# Altium PCB FMC_SDR.PcbDoc (part 3 of 4) (continued)
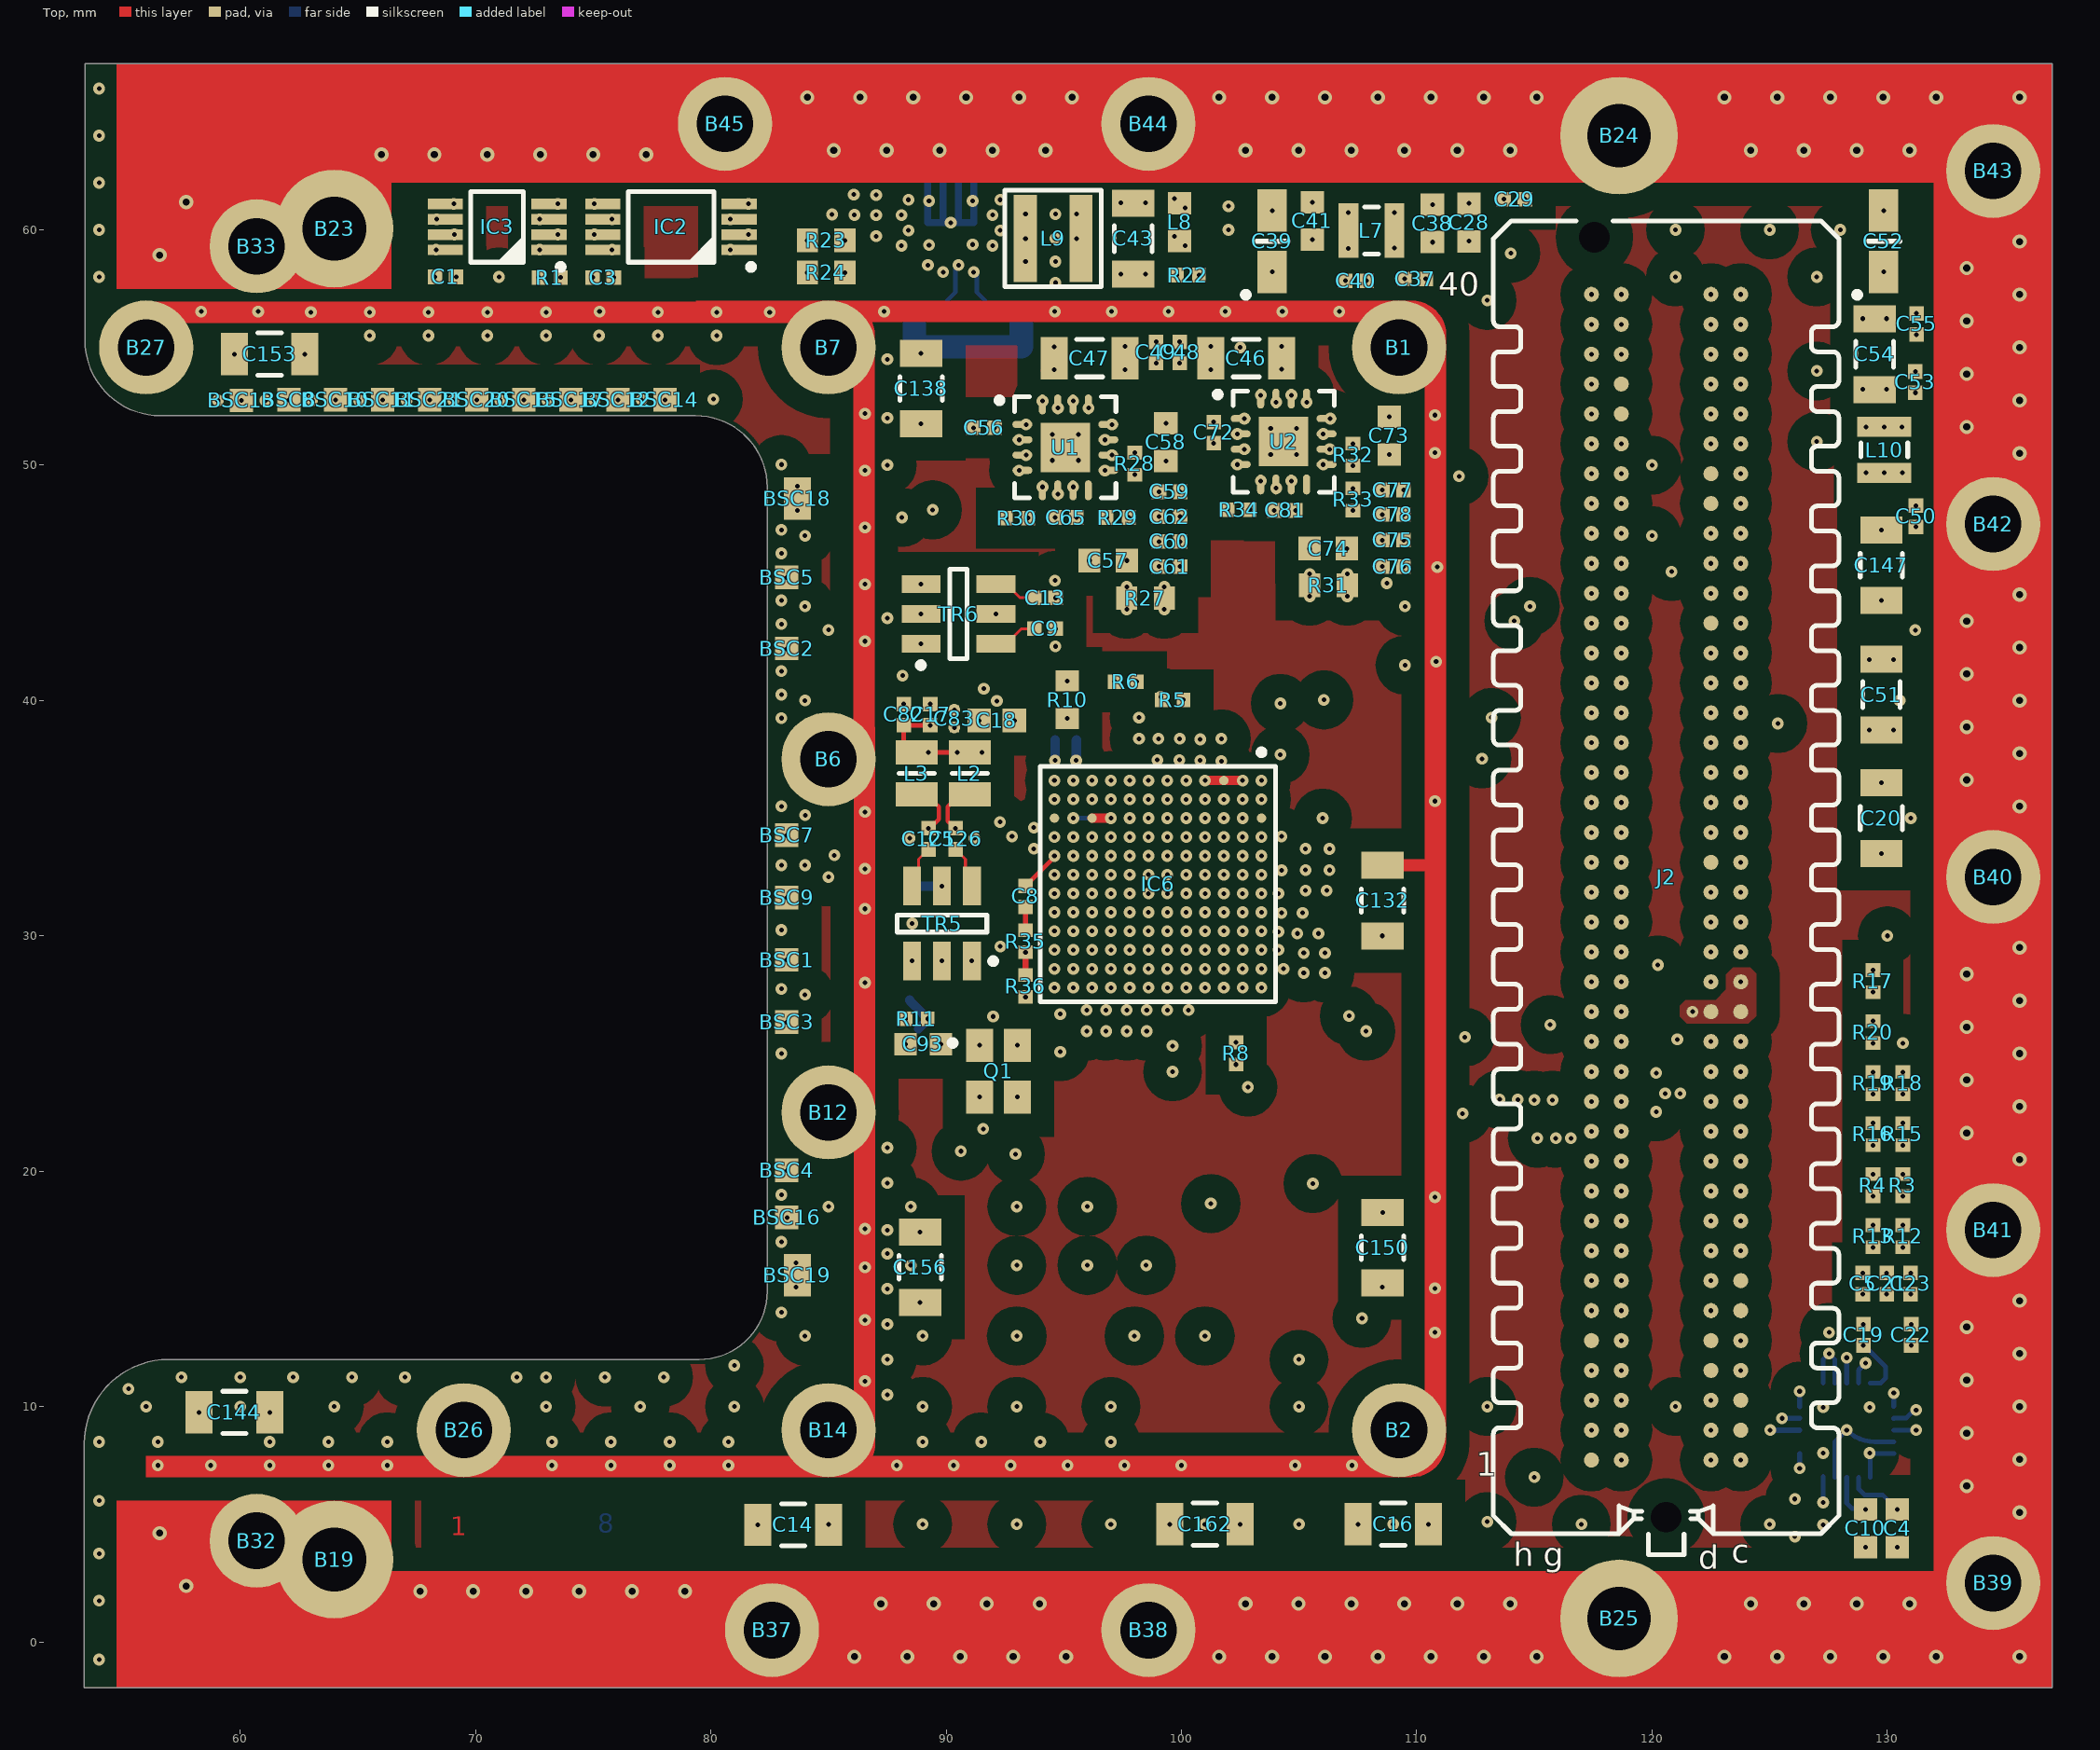
[diagram p0: Top view]
## Nets (pads, with @x,y where several pads share a name; then routed paths per layer and width w, separated by ;. In a path a pad name is that pad's centre, name@x,y a point inside that pad or via, vN(x,y) a via of type N, cw(c..) or ccw(c..) an arc to the next point about the centre after c; other vN are vias at no path point) (continued)
  other v2: 94.85,25.075 95.975,25.95 96.8,25.95 97.675,25.95 98.525,25.95 100.3,26.85 95.403,27.8 96.203,27.8 98.603,27.8 101.003,27.8 101.803,27.8 102.603,27.8 106.1,28.425 95.403,28.6 99.403,28.6 101.803,28.6 106.1,29.275 95.403,29.4 97.803,29.4 101.803,29.4 104.125,29.4 105.825,30.1 104.125,30.175 95.403,30.2 99.403,30.2 101.803,30.2 105.15,30.975 95.403,31 101.803,31 95.403,31.8 97.803,31.8 99.403,31.8 101.803,31.8 104.125,31.8 106.175,31.925 94.603,32.6 97.803,32.6 103.403,32.6 103.403,33.4 105.275,33.7 106.291,33.693 94.603,34.2 101.803,34.2 103.403,34.2 93.725,34.603 97.803,35 99.403,35 95.403,35.8 96.2,35.8 97.003,35.8 97.803,35.8 101.803,35.8 102.603,35.8 103.403,35.8 95.403,36.6 96.203,36.6 99.403,36.6 100.203,36.6 103.403,36.6 100.8,38.35 99.025,38.375 98.2,39.275
  other v3: 118.695,7.726 123.775,7.726 117.425,8.996 122.505,8.996 117.425,10.266 122.505,10.266 118.695,11.536 123.775,11.536 118.695,12.806 123.775,12.806 117.425,14.076 122.505,14.076 122.505,15.346 118.695,16.616 117.425,17.886 123.775,17.886 122.505,19.156 118.695,20.426 117.425,21.696 123.775,21.696 122.505,22.966 123.775,22.966 118.695,24.236 117.425,25.506 118.695,28.046 123.775,28.046 117.425,29.316 122.505,30.586 118.695,31.856 123.775,31.856 117.425,33.126 123.775,33.126 85.25,33.425 122.505,34.396 84.013,35.123 118.695,35.666 117.425,36.936 123.775,36.936 122.505,38.206 123.775,38.206 118.695,39.476 117.425,40.746 122.505,42.016 123.775,42.016 118.695,43.286 123.775,43.286 117.425,44.556 118.695,47.096 123.775,47.096 117.425,48.366 123.775,48.366 94.518,50.204 95.618,50.204 103.793,50.453 104.893,50.453 118.695,50.906 94.518,51.304 95.618,51.304 103.793,51.553 104.893,51.553 117.425,52.176 123.775,52.176 122.505,53.446 118.695,54.716 123.775,54.716 117.425,55.986 122.505,55.986 118.695,57.256 123.775,57.256
  other v5: 101.25,18.625 92.95,20.725 90.628,20.85 115.125,21.4 120.175,22.525 115.775,23.025 113.525,23.05 120.175,24.175 121.075,25.6 92,26.575 92.3,29.55 88.555,30.525 88.45,34.15 91.2,34.15 94.65,42.3 94.625,45.1
GPO0: IC6.B7
  other v2: 102.603,31.8
GPO1: IC6.B6
  other v2: 102.603,32.6
GPO2: IC6.B5
  other v2: 102.603,33.4
GPO3: IC6.B4
  other v2: 102.603,34.2
NetBSC1_1: BSC1.1 TR5.3 | length 5.4
  Int3 [high speed] w0.17: v1(83.225,28.975) 83.225,28.951 85.506,28.951 85.521,28.935 v1(88.555,28.935)
NetBSC2_1: BSC2.1 C93.1 R11.2 | length 19.6
  Int4 [high speed] w0.17: v1(83.225,42.2) 83.173,42.2 83.163,42.21 cw(c83.163,39.67) 84.959,41.466 87.181,39.244 cw(c85.385,37.448) 87.925,37.448 87.925,35.714 cw(c86.986,35.714) 87.65,35.05 ccw(c88.072,34.628) 87.475,34.628 87.475,28.277 ccw(c90.015,28.277) 88.219,26.481 v1@88.25,26.45 ; v1(88.275,25.4) v1(88.275,26.475)
NetBSC3_1: BSC3.1 R35.1 R36.2 | length 12.1
  Top w0.24: R36.2@93.375,28.34 v1(93.375,29.302)
  Int3 [high speed] w0.17: v1(83.225,26.325) 85.297,26.325 85.307,26.335 ccw(c85.307,27.528) 86.15,26.684 cw(c87.817,25.017) 87.817,27.375 90.395,27.375 ccw(c90.395,29.915) 92.191,28.119 v1(93.375,29.302)
NetBSC5_1: BSC5.1 TR6.3 | length 6.3
  Int3 [high speed] w0.17: v1(83.225,45.225) 83.306,45.306 cw(c85.102,43.51) 85.102,46.05 86.779,46.05 cw(c86.779,43.51) 88.575,45.306 v1(88.936,44.945)
NetBSC12_1: BSC12.1 J2.g34 | length 49.2
  Int3 [high speed] w0.2: v1(76.05,52.775) 76.6,53.325 80.825,53.325 85.45,48.7 91.312,48.7 91.727,48.285 98.83,48.285 98.925,48.38 100.152,48.38 100.37,48.598 103.111,48.598 103.429,48.28 103.429,47.903 103.747,47.585 107.081,47.585 107.364,47.302 110.787,47.302 111.484,46.606 117.628,46.606 118.205,47.183 118.205,47.299 118.637,47.731 118.753,47.731 119.392,48.37 119.392,48.939 v3(118.695,49.636)
NetBSC14_1: BSC14.1 IC6.B3 | length 44.2
  Int3 [high speed] w0.2: v1(106,35) 106,36.05 106.056,36.106 v1(106.056,40.025)
  Int1 [signals] w0.2: v1(78.05,52.775) 78.565,53.29 80.428,53.29 84.49,49.228 84.49,45.817 88.607,41.7 104.381,41.7 v1(106.056,40.025) ; v2(102.603,35) v1(106,35)
NetBSC15_1: BSC15.1 J2.g30 | length 55.4
  Int1 [signals] w0.2: v1(72.05,52.775) 72.905,53.63 80.569,53.63 84.83,49.369 84.83,48.381 87.686,45.525 91.03,45.525 92.805,43.75 97.107,43.75 97.472,43.385 106.703,43.385 107.54,44.222 107.54,44.39 108.135,44.985 v3(108.731,44.985)
  Int4 [high speed] w0.2: v3(108.731,44.985) 113.19,44.985 114.521,46.316 118.898,46.316 119.185,46.029 119.185,45.046 v3(118.695,44.556)
NetBSC16_1: BSC16.1 J2.g31 | length 65.7
  Int1 [signals] w0.15: 123.589,33.576 123.591,33.576 ; 123.589,35.216 123.591,35.216
  Int1 [signals] w0.2: v1(83.25,18.025) 84.866,16.409 86.753,16.409 87.151,16.01 87.817,16.01 88.346,16.539 101.958,16.539 106.648,21.228 108.681,21.228 114.168,26.715 116.318,26.715 116.748,26.286 118.898,26.286 121.229,28.617 121.229,31.273 123.56,33.604 123.841,33.884 123.956,33.884 124.265,34.193 124.265,34.599 123.978,34.886 123.862,34.886 123.56,35.187 122.995,35.753 122.995,42.219 119.445,45.768 118.752,45.768 v3(118.695,45.826)
NetBSC17_1: BSC17.1 J2.g33 | length 49.3
  Int3 [high speed] w0.2: v1(74.05,52.775) 75.614,54.339 82.493,54.339 84.151,52.681 93.137,52.681 94.024,51.794 96.426,51.794 97.097,52.465 102.878,52.465 103.158,52.185 105.528,52.185 105.808,52.465 106.528,52.465 108.341,50.652 108.341,50.254 108.628,49.967 110.292,49.967 110.34,50.015 113.86,50.015 113.971,50.126 117.628,50.126 118.133,49.621 118.133,48.928 v3(118.695,48.366)
NetBSC21_1: BSC21.1 IC6.L5 | length 49.4
  Int3 [high speed] w0.12: 94.028,34.188 94.416,33.8 95.003,33.8 v2(95.403,33.4)
  Int3 [high speed] w0.15: v3(92.29,34.84) 92.901,34.84 93.553,34.188 94.028,34.188
  Int3 [high speed] w0.2: v3(89.429,48.102) 91.6,45.932 v3(91.6,40.5)
  Int1 [signals] w0.2: v1(68.05,52.775) 69.585,54.31 79.753,54.31 81.15,55.707 81.15,55.843 82.547,57.24 87.34,57.24 89.429,55.15 v3(89.429,48.102)
  Int4 [high speed] w0.15: v3(91.6,40.5) 91.6,39.643 91.89,39.353 91.89,38.128 92.29,37.728 v3(92.29,34.84)
NetC4_2: C4.2 IC1.7 | length 2.5
  Bottom w0.2: IC1.7@128.775,7 128.778,6.997 128.778,6.507 129.034,6.25 129.8,6.25 v1(130.425,5.625)
NetC5_2: C5.2 IC1.19 R4.1 R13.2 | length 10
  Int3 [high speed] w0.2: v1(128.959,14.775) 128.469,15.265 128.469,15.878 128.901,16.31 128.933,16.279 129.779,16.279 129.95,16.45 129.95,17.15 v1(129.391,17.709) v1(129.391,18.936)
  Int4 [high speed] w0.2: v1(128.959,14.775) 129.475,14.259 129.475,12.25 v3(129.075,11.85)
  Bottom w0.2: IC1.19@128.775,11 128.778,11.003 128.778,11.547 129.075,11.844 v3(129.075,11.85)
NetC8_2: C8.2 R35.2 | length 1
  Top w0.2: R35.2@93.375,30.242 C8.2@93.375,31.225
NetC9_1: C9.1 TR6.6 | length 1.9
  Top w0.12: TR6.6@92.116,42.405 92.561,42.405 93.206,43.05 C9.1@93.75,43.05
NetC10_2: C10.2 IC1.8 | length 2
  Bottom w0.2: IC1.8@128.275,7 128.275,5.9 128.513,5.662 129.038,5.662 v1(129.075,5.625)
NetC11_2: C11.2 R9.1 | length 0.9
  Int1 [signals] w0.4: v3(99.915,37.475) v3@99.92,37.48 ; v3@99.92,38.37 v3(99.925,38.375)
  Int4 [high speed] w0.4: v3@99.92,37.48 v3@99.92,38.37
NetC12_2: C12.2 IC6.G2 IC6.G3 R9.2 | length 3.7
  Int1 [signals] w0.12: v2(98.603,35.8) 99.003,36.2 99.568,36.2 99.803,36.434 99.803,36.766 99.484,37.084 99.366,37.084 v3(98.975,37.475)
  Int1 [signals] w0.2: v2(98.603,35) v2(98.603,35.8)
NetC13_1: C13.1 TR6.4 | length 1.9
  Top w0.12: TR6.4@92.116,44.945 92.561,44.945 93.144,44.362 C13.1@93.75,44.362
NetC19_2: C19.2 IC1.20 R3.1 R12.2 | length 10
  Int3 [high speed] w0.2: v1(128.984,12.598) 129.485,13.098 129.485,13.675 129.951,14.142 130.035,14.142 130.501,14.608 130.501,15.878 131.151,16.528 131.151,17.219 v1(130.661,17.709) v1(130.661,18.936)
  Bottom w0.2: v1(128.984,12.598) 129.02,12.598 129.925,11.693 129.925,11.2 129.725,11 IC1.20@129.275,11
NetC21_2: C21.2 IC1.1 R15.1 R18.2 | length 16.3
  Int3 [high speed] w0.2: v1(130.661,21.104) 131.151,21.594 131.151,22.782 v1(130.661,23.272)
  Int4 [high speed] w0.18: 129.45,15.3 129.45,16.025
  Int4 [high speed] w0.2: v3(130.275,10.575) 130.275,11.666 130.5,11.891 130.5,14.25 v1(129.975,14.775) 129.45,15.3 129.449,15.301 129.449,16.018 128.901,16.566 128.901,20.079 129.196,20.375 129.925,20.375 130.654,21.104 v1(130.661,21.104)
  Bottom w0.2: IC1.1@130.275,10 v3(130.275,10.575)
NetC22_2: C22.2 IC1.2 R16.1 R19.2 | length 15.8
  Int3 [high speed] w0.2: v1(129.391,23.272) v1(129.391,22.044) 129.996,21.438 129.996,21.075 130.537,20.535 130.695,20.535 131.235,19.995 131.235,17.615 131.506,17.344 131.506,13.088 v1(131.016,12.598)
  Int4 [high speed] w0.2: v1(131.016,12.598) 131.016,11.5 131.225,11.291 v3(131.225,9.85)
  Bottom w0.2: IC1.2@130.275,9.5 130.294,9.519 130.813,9.519 131.144,9.85 v3(131.225,9.85)
NetC23_2: C23.2 IC1.3 R17.1 R20.2 | length 22.5
  Int3 [high speed] w0.2: v1(129.391,26.379) v1(129.391,27.607)
  Int4 [high speed] w0.2: v1(129.391,26.379) 129.925,25.845 129.925,25.121 130.171,24.875 130.975,24.875 131.225,24.625 ; 131.125,24.725 131.225,24.625 ; v3(131.225,9) 131.715,9.49 131.715,14.051 v1(130.991,14.775) 130.501,15.265 130.501,15.878 130,16.379 130,19.909 130.496,20.405 130.655,20.405 131.225,20.975 131.225,24.625 ; 131.25,24.6 131.235,24.615 131.225,24.625
  Bottom w0.2: IC1.3@130.275,9 v3(131.225,9)
NetC39_1: C39.1 C40.2 C41.2 C42.2 IC4.12 IC4.13 L1.1 L7.2 R21.1 R22.2 | length 17.5
  Int3 [high speed] w0.2: v1(91.175,58.2) v1@91.225,58.25
  Int3 [high speed] w0.4: v3(104.205,39.877) 103.6,39.272 103.6,37.166 104.25,36.516 v2(104.25,34.225)
  Int5 [GND/PWR] w0.5: v3(104.205,39.877) 104.205,39.9 v3@104.259,39.9
  Int6 [GND/PWR] w0.5: 104.205,46.525 105.855,48.175 105.855,48.975
  Int6 [GND/PWR] w1: v3(104.205,39.877) 104.205,46.525
  Bottom w0.2: v1(91.175,58.2) 91.3,58.075 91.3,57.35 R21.1@91.65,57
  other v1: 106.967,57.836 100.745,58.075 103.861,58.212 94.649,58.65 107.1,59.2 91.975,59.325 105.562,59.576 107.1,60.725
NetC43_2: C43.2 C44.2 C45.2 L8.1 L9.2 | length 4
  Int1 [signals] w0.5: v1(95.55,60.666) 96.941,60.666 v1(97.425,61.15) ; v1(98.475,61.15) 98.65,61.325 v1(99.7,61.325) 99.75,61.325 v1(100.15,60.925)
  other v1: 95.55,59.625
NetC57_2: C57.2 C58.2 C59.2 C60.2 C61.2 C62.2 R27.1 R28.2 U1.10 U1.11 U1.12 U1.13 U1.14
  other v1: 97.675,43.875 97.675,44.825 99.049,45.695 97.688,45.945 99.049,46.753 99.049,47.811 99.049,48.87 99.339,50.178 97.05,50.425 98.019,50.533 96.75,51.075 97.05,51.725 96.05,52.425 95.4,52.725
NetC65_2: C65.2 U1.7 | length 1.4
  Int1 [signals] w0.2: v1(95.4,49.075) 95.4,48.375 95.483,48.292 95.483,47.835 v1(95.54,47.777)
NetC73_2: C73.2 C74.2 C75.2 C76.2 C77.2 C78.2 R31.1 R32.2 U2.10 U2.11 U2.12 U2.13 U2.14
  other v1: 107.05,44.425 107.05,45.375 108.541,45.695 107.04,46.457 108.541,46.812 108.541,47.904 108.541,48.946 108.831,50.457 106.3,50.675 107.29,50.914 106.025,51.325 106.325,51.975 105.325,52.675 104.675,52.975
NetC81_2: C81.2 U2.7 | length 1.3
  Int1 [signals] w0.2: v1(104.675,49.325) 104.732,49.268 104.732,48.883 104.85,48.766 v1(104.85,48.075)
NetC93_2: C93.2 IC6.M12 Q1.1 | length 11
  Int1 [signals] w0.15: v1(89.775,25.4) 89.8,25.375 91.4,25.375 v1(91.425,25.35) 91.425,24.092 92.832,22.685 93.218,22.685 94.13,23.597 94.13,27.327 v2(94.603,27.8)
NetC94_2: C94.2 R7.1 | length 0.9
  Int1 [signals] w0.2: v2(104.34,28.6) 104.971,28.6 105.146,28.425 v2(105.2,28.425)
NetC125_1: C125.1 TR5.4 | length 1.8
  Top w0.12: TR5.4@88.555,32.115 88.83,32.39 88.83,33.255 C125.1@89.25,33.675
NetC126_1: C126.1 TR5.6 | length 1.8
  Top w0.12: C126.1@90.4,33.675 90.82,33.255 90.82,32.39 TR5.6@91.095,32.115
NetIC1_11: IC1.11 IC2.2 IC3.6 J2.c34 | length 112.7
  Int3 [high speed] w0.2: v1(68.35,60.45) 70.675,60.45 71.95,61.725 77.45,61.725 79.375,59.8 v1(81.6,59.8) 83.82,57.58 90.014,57.58 91.865,55.729 104.947,55.729 107.916,52.76 117.913,52.76 120.359,55.206 123.978,55.206 124.265,54.919 124.265,50.126 v3(123.775,49.636)
  Int4 [high speed] w0.15: v3(123.775,49.636) 124.925,48.486 124.925,45.95 128.679,42.196 128.679,21.041 ; v3(126.275,7.375) 126.81,7.91 126.81,13.093 128.275,14.558 128.275,20.142 128.67,20.537 128.67,21.041
  Bottom w0.224: v3(126.275,7.375) IC1.11@126.275,8
NetIC1_13: IC1.13 IC2.1 IC3.7 J2.d35 | length 106.3
  Int3 [high speed] w0.2: v1(69.1,59.8) 72.768,59.8 73.343,59.225 75.168,59.225 75.583,59.64 76.06,59.64 76.55,59.15 v1(80.825,59.15) 80.872,59.15 82.782,57.24 85.954,57.24 87.954,55.24 90.538,55.24 92.218,53.56 94.803,53.56 95.783,54.54 97.803,54.54 98.494,53.849 100.128,53.849 100.819,54.54 102.267,54.54 103.342,53.465 106.731,53.465 108.8,51.396 121.735,51.396 122.015,51.396 v3(122.505,50.906) ; v3@120.875,45.45 120.825,45.5 120.825,47.8 122.5,49.475 v3@122.5,50.9
  Int4 [high speed] w0.15: v3(120.831,45.477) 120.831,44.619 122.75,42.7 124.375,42.7 126.02,41.055 126.02,15.795 125.023,14.798 v3(125.025,9) ; v3@125,9.025 v3(125.025,9) ; v3(125.025,9) v3(125.025,9)
  Bottom w0.224: v3(125.025,9) 125.027,8.998 126.273,8.998 IC1.13@126.275,9
NetIC1_14: IC1.14 IC2.5 IC3.1 J2.c30 | length 108.1
  Int4 [high speed] w0.15: v1(123.775,44.556) 126.85,41.481 126.85,15.455 125.525,14.13 v3(125.525,9.5)
  Int4 [high speed] w0.2: v1(72.725,59.15) 73.95,59.15 74.45,59.65 74.45,60.5 v1(75.05,61.1) 75.05,60.507 75.917,59.64 76.003,59.64 76.983,58.66 81.963,58.66 81.975,58.672 86.798,58.672 89.434,56.035 95.46,56.035 96.44,57.015 103.01,57.015 104.74,55.285 104.74,55.085 108.258,51.567 111.309,51.567 116.344,56.603 118.943,56.603 120.6,54.945 120.6,46.975 121.321,46.254 121.321,44.954 122.209,44.066 122.708,44.066 123.198,44.556 v1(123.775,44.556)
  Bottom w0.224: v3(125.525,9.5) IC1.14@126.275,9.5
NetIC1_15: IC1.15 IC2.6 IC3.2 J2.c31 | length 107.8
  Int4 [high speed] w0.15: v1(123.775,45.826) 127.712,41.889 127.712,20.471 127.55,20.309 127.55,14.95 126.275,13.675 v3(126.275,10.65)
  Int4 [high speed] w0.2: v1(73.5,59.8) 73.5,60.375 74.715,61.59 75.56,61.59 75.8,61.35 v1(75.8,60.45) 78.21,60.45 78.7,60.94 81.067,60.94 81.525,60.482 84.118,60.482 84.56,60.04 85.91,60.04 88.69,57.26 95.563,57.26 97.138,58.835 101.64,58.835 102.753,57.722 103.784,57.722 106.875,54.632 106.875,53.694 107.991,52.578 110.535,52.578 115.782,57.825 119.208,57.825 121.59,55.443 121.59,47.318 122.302,46.606 122.479,46.606 123.225,45.86 123.741,45.86 v1(123.775,45.826)
  Bottom w0.224: IC1.15@126.275,10 v3(126.275,10.65)
NetIC3_3: IC3.3 J2.c23 R1.1 | length 88.6
  Int1 [signals] w0.2: v1(72.685,57.975) 73.175,57.485 79.853,57.485 81.243,58.875 86.7,58.875 92.551,53.024 92.551,49.035 92.055,48.539 92.055,47.549 92.371,47.233 98.836,47.233 98.925,47.321 107.265,47.321 108.338,48.394 111.476,48.394 114.064,50.982 114.064,52.164 117.25,55.35 119.35,55.35 121.744,52.956 123.688,52.956 126.9,49.744 126.9,38.791 v3(123.775,35.666)
  Int4 [high speed] w0.2: v1(72.685,57.975) 71.967,58.693 71.967,59.692 v1(72.725,60.45)
NetIC4_1: IC4.1 R23.1 R24.1 | length 4
  Int3 [high speed] w0.2: v1(85.7,58.182) v1(85.7,59.55) 85.757,59.493 86.232,59.493 86.525,59.2 87.209,59.2 87.334,59.325 v1(88.1,59.325)
NetIC4_4: IC4.4 R25.1 R26.2 | length 4.5
  Int3 [high speed] w0.2: v1(85.15,60.65) 85.585,61.085 85.585,61.703 85.872,61.99 86.51,61.99 v1(87.025,61.475) ; v1@87.013,61.487 88.106,61.487 88.319,61.275 v1(88.4,61.275)
NetIC4_9: IC4.9 IC4.10 IC4.11 L9.1
  other v1: 93.375,58.65 93.375,59.625 92.3,59.975 91.975,60.625 93.375,60.675 92.3,61.275
NetIC6_C3: IC6.C3
  other v2: 101.803,35
NetIC6_L4: IC6.L4 R10.2 | length 6
  Int1 [signals] w0.15: v1(95.15,39.232) 94.05,38.132 94.05,35.553 v2(95.403,34.2)
NetIC6_M11: IC6.M11 Q1.3 | length 6.5
  Int1 [signals] w0.15: v1(93.025,23.15) 92.56,23.615 92.56,25.927 93.84,27.207 93.84,27.837 v2(94.603,28.6)
NetJ2_d27: J2.d27 R2.2 | length 44
  Int3 [high speed] w0.15: v5@101.725,38.375 101.7,38.4 101.7,39.81 104.8,42.91 104.975,42.91 105.312,42.91 ccw(c105.312,42.948) 105.35,42.948 105.35,43.923 cw(c105.387,43.923) 105.387,43.96 106.062,43.96 cw(c106.062,43.923) 106.1,43.923 106.1,42.91 106.1,41.84 ccw(c106.137,41.84) 106.137,41.802 106.812,41.802 ccw(c106.812,41.84) 106.85,41.84 106.85,42.91 106.85,43.923 cw(c106.887,43.923) 106.887,43.96 107.562,43.96 cw(c107.562,43.923) 107.6,43.923 107.6,42.91 107.6,41.84 ccw(c107.637,41.84) 107.637,41.802 108.312,41.802 ccw(c108.312,41.84) 108.35,41.84 108.35,42.91 108.35,43.753 cw(c108.387,43.753) 108.387,43.79 109.062,43.79 cw(c109.062,43.753) 109.1,43.753 109.1,42.91 109.1,42.002 ccw(c109.137,42.002) 109.137,41.965 109.812,41.965 ccw(c109.812,42.002) 109.85,42.002 109.85,42.91 109.85,43.68 cw(c109.887,43.68) 109.887,43.718 110.562,43.718 cw(c110.562,43.68) 110.6,43.68 110.6,42.91 110.6,42.152 ccw(c110.637,42.152) 110.637,42.115 111.312,42.115 ccw(c111.312,42.152) 111.35,42.152 111.35,42.91 111.35,43.98 cw(c111.387,43.98) 111.387,44.018 112.062,44.018 cw(c112.062,43.98) 112.1,43.98 112.1,42.91 112.1,41.84 ccw(c112.137,41.84) 112.137,41.802 112.812,41.802 ccw(c112.812,41.84) 112.85,41.84 112.85,42.872 cw(c112.887,42.872) 112.887,42.91 113.175,42.91 115.613,42.91 117.123,41.4 120.073,41.4 120.723,40.75 v3@122.5,40.75
  other v3: 122.505,40.746
  other v5: 101.7,38.375
NetJ2_d30: J2.d30 J2.d31 | length 1.3
  Int4 [high speed] w0.224: v1(122.505,44.556) v1(122.505,45.826)
NetR28_1: R28.1 R29.1 U1.9 | length 3.4
  Int1 [signals] w0.2: v1(96.75,49.775) 97.376,49.775 97.376,49.593 ; v1(97.765,47.777) 97.376,48.166 97.376,49.593 ; v1(98.019,49.593) 97.376,49.593
NetR32_1: R32.1 R33.1 U2.9 | length 2.3
  Int1 [signals] w0.2: v1(106.025,50.025) 106.05,50 107.264,50 v1(107.29,49.974) v1(107.29,49.009)
P1V8: C46.2 C47.2 C48.2 C49.2 C56.2 C72.2 L8.2 R25.2 U1.1 U1.2 U1.3 U1.15 U1.16 U2.1 U2.2 U2.3 U2.15 U2.16
  other v1: 93.4,50.425 102.675,50.675 93.1,51.075 102.375,51.325 92.061,51.587 93.4,51.725 101.371,51.834 102.675,51.975 94.75,52.425 104.025,52.675 94.1,52.725 103.375,52.975 97.6,54.05 101.25,54.05 98.925,54.339 99.925,54.339 97.6,55.05 101.25,55.05 100.15,59.325 99.7,59.725 86.1,60.631
P3V3: BSC19.1 C37.2 C38.2 J2.c39 J2.d36 J2.d38 J2.d40 L7.1 R4.2 | length 25
  Int1 [signals] w0.4: v1(107.675,13.75) 115.094,13.75 115.358,13.486 123.953,13.486 126.662,16.195 126.662,17.148 v1(129.391,19.876)
  other v1: 83.625,15.075 83.625,16.1 110.381,57.912 109.05,59.225 110.668,59.474 109.05,60.725
  other v3: 122.505,52.176 122.505,54.716 123.775,55.986 122.505,57.256
P3V3_AUX: C1.2 C3.2 C6.2 C15.2 IC1.10 IC1.16 IC1.17 IC2.8 IC3.8 J2.d32 R3.2 | length 107.9
  Int4 [high speed] w0.4: v1(68.275,58) 68.275,59.073 68.325,59.123 v1(68.325,59.15) 70.591,59.15 73.531,62.09 114.644,62.09 116.001,60.733 116.001,59.832 117.568,58.265 119.391,58.265 122.261,55.396 122.659,55.396 123.095,54.96 123.095,50.661 ; v3(122.505,47.096) 122.505,50.071 123.095,50.661 ; v1(130.661,19.876) 130.688,19.876 130.776,19.965 130.837,19.965 131.69,20.818 131.69,41.406 129.108,43.988 129.108,45.604 124.396,50.316 123.441,50.316 123.095,50.661
  Bottom w0.2: C15.2@127.275,5.95 IC1.10@127.275,7 IC1.10@127.275,7.025 ; IC1.16@127.275,11 127.275,12 v1(127.525,12.25) 127.775,12 IC1.17@127.775,11
  other v1: 127.275,5.925 126.075,6.075 75.875,57.975 75.8,59.15
P12V0: BSC18.1 C50.2 C51.2 J2.c35 J2.c37 L10.1
  other v1: 129.234,41.743 130.259,41.743 83.675,48.075 131.216,48.278 83.675,49.1 129.1,49.675 129.87,49.673 130.65,49.675
  other v3: 123.775,50.906 123.775,53.446
P12V0A: C52.1 C53.2 C54.2 C55.2 L10.2
  other v1: 129.87,51.623 129.1,51.625 130.625,51.625 131.191,53.075 128.95,53.225 129.975,53.225 131.242,55.55 129.845,58.212
PG_1P3_A: R30.1 U1.5 | length 1.6
  Int1 [signals] w0.2: v1(93.485,47.752) 94.1,48.367 v1(94.1,49.075)
PG_1P3_B: R34.1 U2.5 | length 1.4
  Int1 [signals] w0.2: v1(102.908,48.108) 103.375,48.574 v1(103.375,49.325)
PG_1P8V: IC4.16 R22.1 U1.4 U2.4 | length 28.7
  Int1 [signals] w0.2: v1(89.225,58.5) 89.225,57.725 91.1,55.85 96.15,55.85 ; v1(93.1,49.775) 93.157,49.832 93.5,49.832 93.968,50.3 93.968,50.347 94.345,50.724 94.631,50.724 95.008,51.101 95.008,51.642 95.299,51.932 96.25,51.932 96.952,52.634 96.952,52.677 ; v1@99.825,58.075 v1(99.805,58.075) 97.58,55.85 96.15,55.85 ; v1@102.375,49.975 102.325,50.025 99.88,50.025 99.88,50.331 99.542,50.668 98.96,50.668 96.952,52.677 ; 96.15,55.85 96.15,53.478 96.952,52.677
  other v1: 102.375,50.025
PGood_FMC: IC4.15 J2.d1 | length 96.5
  Int3 [high speed] w0.2: v1(89.875,58.2) 90.835,57.24 110.178,57.24 113.192,54.226 118.898,54.226 121.148,56.476 123.978,56.476 126.51,53.944 126.51,46.185 131.846,40.849 131.846,11.453 127.278,6.885 123.346,6.885 v3(122.505,7.726)
RX_EXT_LO: BSC7.1 IC6.G1 | length 17.2
  Int3 [high speed] w0.17: v1(83.225,34.275) 86.223,34.275 ccw(c86.223,36.815) 88.019,35.019 88.351,35.351 cw(c90.147,33.555) 90.147,36.095 90.593,36.095 ccw(c90.593,38.635) 92.389,36.839 93.131,37.581 cw(c94.927,35.785) 94.927,38.325 95.826,38.325 cw(c95.826,35.785) 97.622,37.581 v2(98.603,36.6)
RXA_N: C13.2 IC6.M2 | length 9.8
  Int4 [high speed] w0.12: v2(94.603,35.8) 94.603,35.812 94.374,36.04 94.142,36.04 93.653,36.53 93.653,43.456 94.063,43.866 94.58,43.866 94.65,43.936 v1(94.65,44.362)
RXA_P: C9.2 IC6.M1 | length 9.8
  Int4 [high speed] w0.12: v2(94.603,36.6) 94.603,36.588 94.374,36.36 94.275,36.36 93.973,36.662 93.973,37.1 93.973,37.31 93.973,37.709 cw(c93.994,37.709) 93.994,37.73 94.153,37.73 ccw(c94.153,37.751) 94.174,37.751 94.174,38.129 ccw(c94.153,38.129) 94.153,38.15 93.994,38.15 cw(c93.994,38.171) 93.973,38.171 93.973,38.549 cw(c93.994,38.549) 93.994,38.57 94.153,38.57 ccw(c94.153,38.591) 94.174,38.591 94.174,38.969 ccw(c94.153,38.969) 94.153,38.99 93.994,38.99 cw(c93.994,39.011) 93.973,39.011 93.973,39.389 cw(c93.994,39.389) 93.994,39.41 94.153,39.41 ccw(c94.153,39.431) 94.174,39.431 94.174,39.809 ccw(c94.153,39.809) 94.153,39.83 93.994,39.83 cw(c93.994,39.851) 93.973,39.851 93.973,43.323 94.195,43.546 94.58,43.546 94.65,43.476 v1(94.65,43.05)
RXB_N: IC6.J1
  other v2: 97.003,36.6
RXB_P: IC6.H1
  other v2: 97.803,36.6
SH: B1.1 B2.1 B6.1 B7.1 B12.1 B14.1 B19.1 B23.1 B24.1 B25.1 B26.1 B27.1 B32.1 B33.1 B37.1 B38.1 B39.1 B40.1 B41.1 B42.1 B43.1 B44.1 B45.1 C14.2 C16.2 C20.2 C84.2 C85.2 C92.2 C99.2 C101.2 C102.2 C130.2 C131.2 C132.2 C133.2 C134.2 C136.2 C137.2 C138.2 C139.2 C140.2 C142.2 C143.2 C144.2 C145.2 C146.2 C147.2 C148.2 C149.2 C150.2 C151.2 C152.2 C153.2 C154.2 C155.2 C156.2 C158.2 C160.2 C162.2 C198.2 C199.2 C204.2 C205.2 C206.2 C207.2 C208.2 C209.2 C210.2 C211.2 C212.2 C213.2 C214.2 C215.2 C216.2 C217.2 | length 25.4
  Top w0.5: C132.2@108.541,33 110.668,33
  Int1 [signals] w0.5: v1(86.55,17.55) 87.14,18.14 87.955,18.14 88.676,17.419 v1(88.892,17.419) ; v1(108.55,18.252) 110.127,18.252 v1(110.775,18.9)
  Int1 [signals] w1: 58.2,8.5 58.25,8.55 v1(58.25,9.75) ; v1(99.5,5) 99.996,5.496 v1(99.996,7.5) ; v1(129.75,36.5) 132.3,36.5 133,37.2 ; v1(129.75,47.25) 130.724,46.276 132.423,46.276
  Bottom w1: 88.65,56.425 88.65,55.025 93.2,55.025 93.2,56.425
  other v1: 82,4.975 110.5,5 56.5,7.5 58.75,7.5 61.25,7.5 63.75,7.5 66.25,7.5 73.25,7.5 75.75,7.5 78.25,7.5 80.75,7.5 87.905,7.5 90.323,7.5 92.741,7.5 95.159,7.5 97.577,7.5 104.832,7.5 107.25,7.5 86.55,11.082 110.775,13.15 86.55,13.675 110.775,15.025 86.55,15.919 86.55,28.009 86.55,31.15 86.55,32.846 86.55,35.264 110.775,35.725 110.825,41.65 86.55,42.518 86.55,44.936 110.875,45.675 86.55,47.354 86.55,49.773 110.775,50.525 110.775,52.125 86.55,52.191 59.75,54.716 88.936,54.75 63,56.5 65.5,56.5 68,56.5 70.5,56.5 73,56.5 77.75,56.5 80.25,56.5 82.5,56.5 58.344,56.525 60.762,56.525 75.271,56.525 87.362,56.525 94.616,56.525 97.034,56.525 99.452,56.525 101.871,56.525 104.289,56.525 106.707,56.525
  other v4: 86.1,-0.625 88.35,-0.625 90.6,-0.625 92.85,-0.625 95.1,-0.625 101.6,-0.625 103.85,-0.625 106.1,-0.625 108.35,-0.625 110.6,-0.625 112.85,-0.625 115.1,-0.625 123.075,-0.625 125.325,-0.625 127.575,-0.625 129.825,-0.625 132.075,-0.625 135.625,-0.625 87.225,1.625 89.475,1.625 91.725,1.625 93.975,1.625 102.725,1.625 104.975,1.625 107.225,1.625 109.475,1.625 111.725,1.625 113.975,1.625 124.2,1.625 126.45,1.625 128.7,1.625 130.95,1.625 67.65,2.15 69.9,2.15 72.15,2.15 74.4,2.15 76.65,2.15 78.9,2.15 57.7,2.375 56.575,4.625 135.625,5.5 133.375,6.625 135.625,7.75 133.375,8.875 135.625,10 133.375,11.125 135.625,12.25 133.375,13.375 135.625,14.5 135.625,20.5 133.375,21.625 135.625,22.75 133.375,23.875 135.625,25 133.375,26.125 135.625,27.25 133.375,28.375 135.625,29.5 135.625,35.5 133.375,36.625 135.625,37.75 133.375,38.875 135.625,40 133.375,41.125 135.625,42.25 133.375,43.375 135.625,44.5 135.625,50.5 133.375,51.625 135.625,52.75 133.375,53.875 135.625,55 133.375,56.125 135.625,57.25 133.375,58.375 56.575,58.925 135.625,59.5 57.7,61.175 66,63.2 68.25,63.2 70.5,63.2 72.75,63.2 75,63.2 77.25,63.2 85.225,63.375 87.475,63.375 89.725,63.375 91.975,63.375 94.225,63.375 102.725,63.375 104.975,63.375 107.225,63.375 109.475,63.375 111.725,63.375 113.975,63.375 124.2,63.375 126.45,63.375 128.7,63.375 130.95,63.375 84.1,65.625 86.35,65.625 88.6,65.625 90.85,65.625 93.1,65.625 95.35,65.625 101.6,65.625 103.85,65.625 106.1,65.625 108.35,65.625 110.6,65.625 112.85,65.625 115.1,65.625 123.075,65.625 125.325,65.625 127.575,65.625 129.825,65.625 132.075,65.625 135.625,65.625
SynchronizeDCDC: J2.d20 R23.2 | length 78.8
  Int3 [high speed] w0.2: v1(84.1,59.55) 84.1,61.125 85.55,62.575 96.24,62.575 96.555,62.26 115.84,62.26 116.84,61.26 121.705,61.26 128.175,54.79 128.175,47.575 129.412,46.337 130.463,46.337 131.191,45.609 v3(131.191,42.991)
  Int1 [signals] w0.2: v3(122.505,31.856) 123.285,32.636 124.839,32.636 129.443,37.24 129.448,37.24 131.191,38.983 v3(131.191,42.991)
TX_EXT_LO: BSC9.1 IC6.A12 | length 37.1
  Int3 [high speed] w0.12: v2(103.403,27.8) cw(c103.403,25.936) 104.721,27.254 105.759,26.216 ccw(c107.126,27.583) 107.126,25.65 ccw(c107.126,26.674) v1(107.85,25.95)
  Int1 [signals] w0.38: v3(91.579,21.799) 102.647,21.799 ccw(c102.647,24.339) 104.443,22.543 v1(107.85,25.95)
  Int4 [high speed] w0.12: v1(83.25,31.625) 83.25,31.553 84.956,29.847 cw(c83.16,28.051) 85.7,28.051 85.7,26.927 ccw(c88.24,26.927) 86.444,25.131 89.032,22.543 ccw(c90.828,24.339) 90.828,21.799 v3(91.579,21.799)
TX_MON: C8.1 IC6.M5 | length 1.8
  Top w0.2: C8.1@93.375,32.125 94.603,33.353 v2(94.603,33.4)
TX_VCO_1P1V_SUPPLY: C7.2 IC6.A11 IC6.B11 R7.2 | length 0.8
  Int1 [signals] w0.2: v2(102.603,28.6) v2(103.403,28.6)
TXA_N: C125.2 IC6.M8 L3.1 | length 9.4
  Top w0.18: L3.1@88.75,36.01 89.17,35.59 89.58,35.59 89.685,35.485 89.685,34.95 89.53,34.795 89.47,34.795 v1(89.25,34.575)
  Int4 [high speed] w0.12: v1(89.25,34.575) 89.665,34.16 89.665,33.737 92.162,31.24 94.363,31.24 v2(94.603,31)